# Altium PCB P0.PcbDoc (part 2 of 3)
Units mm, origin at the board's own origin, x right, y up, seen from the top; angles counter-clockwise.
Board outline 111.3 x 100 mm, 2 copper layers (Top Layer, Bottom Layer); 300 components, 175 nets, 873 pads, 740 vias.
Unrouted connection lines stored in the file: 7.
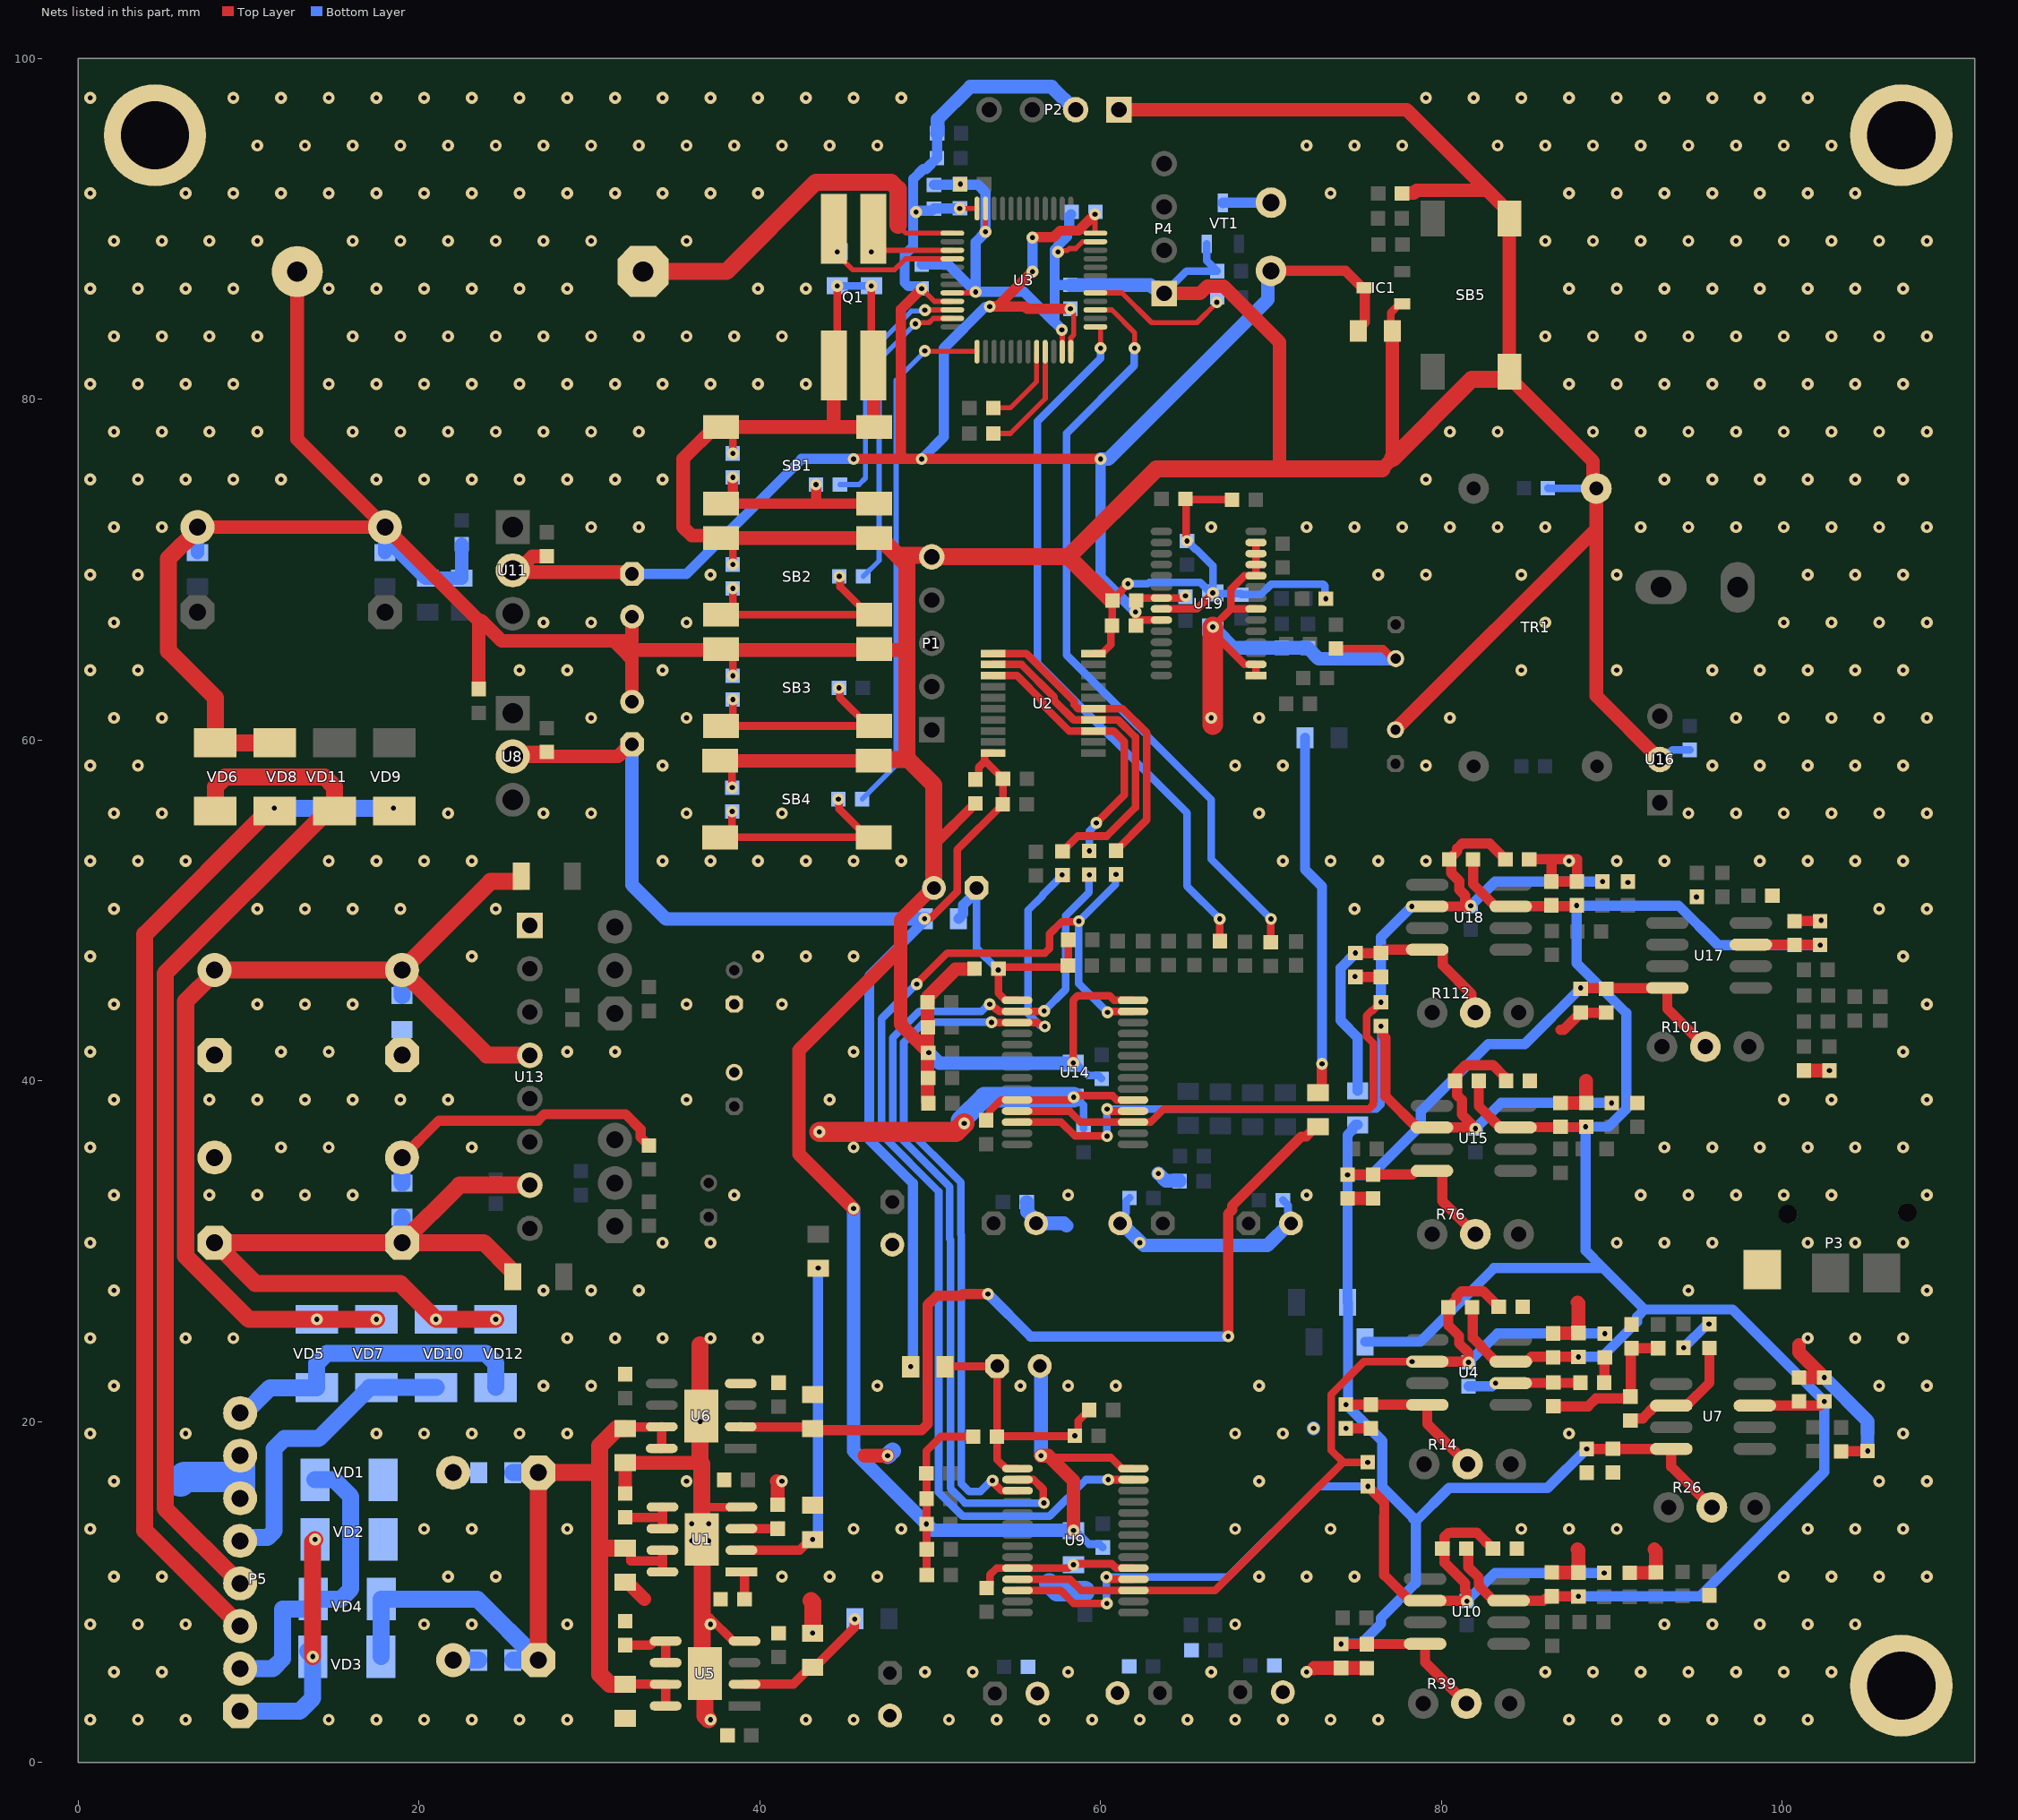
[diagram p2: the nets of this part, all layers, seen from the top]

## Part data
B1: library part Connector_CH224-2032, Manufacturer=KLS, PartNumber=CH224-2032, CommentText=CR2032, HelpURL=https://www.chipdip.ru/product/bh-642, TypeConnector="Single battery CR2032", ValueManufacturerPartNumber="Single battery CR2032"
BF1: library part Buzzer, CurrentMax=80mA, Frequency="2.73 kHz", Manufacturer="PUI Audio", PartNumber=AT-0927-TT-6-R, Temperature=-20...+70°C, VoltageMax=3VDC, HelpURL=https://www.digikey.com/products/en?keywords=AT-0927-TT-6-R, TypeBuzzer="DIP switch", ValueManufacturerPartNumber="DIP switch, 2.73 kHz, 3VDC, 80mA, -20...+70°C"
C1 C3 C4 C5 C7 C8 C9 C10 C11 C12 C13 C14 C15 C16 C17 C18 C19 C20 C21 C22 C23 C24 C25 C26 C27 C28 C29 C30 C31 C32 C33 C34 C35 C36 C37 C38 C39 C40 C41 C42 C44 C45 C46 C47 C49 C50 C51 C53 C57 C59 C63 C64 C65 C66 C67 C68 C71 C73 C74 C76 C78 C79 C80 C82 C84 C85 C86 C88 C89 C90 C91 C92 C93 C94 C95 C96 C97 C98 C99 C100 C101 C102 C103 C104 C105 C107 C109 C110 C111 C112 C113 C114 C115 C116 C117 C119 C121 C122 C123: library part Ceramic, Manufacturer=Yageo, Package=0201, PartNumber=CC0201KRX7R7BB103, Temperature=-55...+125°C, Tolerance=±10%, TypeCapacitor="Ceramic capacitor", TypeDielectric=X7R, Voltage=16V, HelpURL=https://www.digikey.com/product-detail/en/yageo/CC0201KRX7R7BB103/311-1404-1-ND/2833710
  C1 C5 C8 C11 C12 C13 C15 C18 C27 C40 C42 C44 C47 C49 C51 C53 C57 C59 C63 C65 C66 C67 C68 C71 C73 C74 C76 C79 C82 C85 C86 C88 C89 C90 C96 C103 C107 C109 C110 C117 C119 C121 C123: ValueManufacturerPartNumber="Ceramic capacitor, 0.1u, X7R, ±10%, 16V, 0201, -55...+125°C"
  C3 C4 C19 C20 C22 C23: ValueManufacturerPartNumber="Ceramic capacitor, 10μF, X7R, ±10%, 16V, 0201, -55...+125°C"
  C7 C14 C28 C39 C45 C50 C78 C84 C97 C102 C111 C122: ValueManufacturerPartNumber="Ceramic capacitor, 4.7u, X7R, ±10%, 16V, 0201, -55...+125°C"
  C9 C17 C26 C33 C36 C38: ValueManufacturerPartNumber="Ceramic capacitor, 1u, X7R, ±10%, 16V, 0201, -55...+125°C"
  C10 C25 C29 C32 C41 C80 C95 C98 C100 C105: ValueManufacturerPartNumber="Ceramic capacitor, 100p, X7R, ±10%, 16V, 0201, -55...+125°C"
  C16 C30 C35 C37 C64: ValueManufacturerPartNumber="Ceramic capacitor, 10u, X7R, ±10%, 16V, 0201, -55...+125°C"
  C21 C31 C93 C99: ValueManufacturerPartNumber="Ceramic capacitor, 2.7n, X7R, ±10%, 16V, 0201, -55...+125°C"
  C24 C34 C94 C101: ValueManufacturerPartNumber="Ceramic capacitor, 5.6n, X7R, ±10%, 16V, 0201, -55...+125°C"
  C46 C112: ValueManufacturerPartNumber="Ceramic capacitor, 3.9n, X7R, ±10%, 16V, 0201, -55...+125°C"
  C91 C92 C104: ValueManufacturerPartNumber="Ceramic capacitor, 10n, X7R, ±10%, 16V, 0201, -55...+125°C"
  C113: ValueManufacturerPartNumber="Ceramic capacitor, 22n, X7R, ±10%, 16V, 0201, -55...+125°C"
  C114: ValueManufacturerPartNumber="Ceramic capacitor, 1n, X7R, ±10%, 16V, 0201, -55...+125°C"
  C115 C116: ValueManufacturerPartNumber="Ceramic capacitor, 12p, X7R, ±10%, 16V, 0201, -55...+125°C"
C2 C6 C55 C56 C60 C61 C62 C69: library part Aluminium, Manufacturer=Wurth, Package="14x10x5 mm", PartNumber=860080475013, Temperature=-55...+105°C, Tolerance=±20%, TypeCapacitor="Aluminium capacitor", Voltage=35V, HelpURL=https://www.digikey.com/product-detail/en/wurth-electronics-inc/860080475013/732-9029-1-ND/5728972, Impedance=54mOhm, ValueManufacturerPartNumber="Aluminium capacitor, 1000μF, 35V, ±20%, 54mOhm, 14x10x5 mm, -55...+105°C"
C43 C48 C52 C54 C72 C75 C77 C106 C108 C118 C120 C124: library part Aluminium, Manufacturer=Wurth, Package="14x10x5 mm", PartNumber=860080475013, Temperature=-55...+105°C, Tolerance=±20%, TypeCapacitor="Aluminium capacitor", Voltage=25V, HelpURL=https://www.digikey.com/product-detail/en/wurth-electronics-inc/860080475013/732-9029-1-ND/5728972, Impedance=54mOhm, ValueManufacturerPartNumber="Aluminium capacitor, 100μF, 25V, ±20%, 54mOhm, 14x10x5 mm, -55...+105°C"
C58 C70 C81 C83 C87: library part Aluminium, Manufacturer=Wurth, Package="14x10x5 mm", PartNumber=860080475013, Temperature=-55...+105°C, Tolerance=±20%, TypeCapacitor="Aluminium capacitor", Voltage=50V, HelpURL=https://www.digikey.com/product-detail/en/wurth-electronics-inc/860080475013/732-9029-1-ND/5728972, Impedance=54mOhm, ValueManufacturerPartNumber="Aluminium capacitor, 10μF, 50V, ±20%, 54mOhm, 14x10x5 mm, -55...+105°C"
IC1: library part MAX809MEUR, "3-Pin Microprocessor Reset Circuit", Case=SOT23, Manufacturer=MAXIM, Author="CERN DEM JLC", Bonding=No, Component Type=Standard, ComponentHeight=1.12mm, CreateDate=23.08.2012, Device=MAX809SEUR, HelpURL=\\cern.ch\dfs\Applications\Altium\Datasheets\MAX809MEUR.pdf, LatestRevisionDate=23.08.2012, Manufacturer Part Number=MAX809SEUR, Mounted=Yes, PackageDescription="SOT23 3-Leads, Pitch 0.95mm - Body 1.3x2.86mm, IPC Medium Density", Part Description="3-Pin Microprocessor Reset Circuit (Reset Threshold 4.38V)", Part Number=MAX809SEUR, Pin Count=3, PressFit=No, Sense=No, SMD=Yes, Socket=No
L1 L2 L3 L4 L5 L6 L7 L8: library part Inductor_SMD, Manufacturer="Murata Electronics", MaxCurrent=80mA, Package=0201, PartNumber=LQP03TNR10J02D, Temperature=-55...+125°C, Tolerance=±5%, TypeInductor="Fixed inductor", HelpURL=https://www.digikey.com/product-detail/en/murata-electronics-north-america/LQP03TNR10J02D/490-6742-1-ND/3845939, ValueManufacturerPartNumber="Fixed inductor, 100nH, ±5%, 0201, 80mA, -55...+125°C"
P1: library part "Header 5", "Header, 5-Pin", LatestRevisionDate=17-Jul-2002, LatestRevisionNote="Re-released for DXP Platform.", Publisher="Altium Limited"
P2: "Header, 4-Pin", LatestRevisionDate=17-Jul-2002, LatestRevisionNote="Re-released for DXP Platform.", Publisher="Altium Limited"
P3: "3.5 mm, Stereo, Right Angle, Surface Mount _SMT_, Audio Jack Connector", Package=None, CUI_purchase_URL=https://www.cuidevices.com/product/interconnect/connectors/audio-connectors/jacks/sj2-357x-smt-series?utm_source=snapeda.com&utm_medium=referral&utm_campaign=snapedaBOM, Digi-Key_Part_Number=CP-SJ2-3573A2-SMT-CT-ND, Digi-Key_Purchase_URL=https://www.digikey.com.tr/product-detail/en/cui-devices/SJ2-3573A2-SMT-TR/CP-SJ2-3573A2-SMT-CT-ND/6619610?utm_source=snapeda&utm_medium=aggregator&utm_campaign=symbol, MF="CUI Devices", MP=SJ2-3573A2-SMT-TR, SnapEDA_Link=https://www.snapeda.com/parts/SJ2-3573A2-SMT-TR/CUI%20Devices/view-part/701785/?ref=snap
P4: library part "Header 4", "Header, 4-Pin", LatestRevisionDate=17-Jul-2002, LatestRevisionNote="Re-released for DXP Platform.", Publisher="Altium Limited"
P5: library part CWF-8, CurrentMax=3A, Manufacturer=Connfly, VoltageMax=250VAC, CommentText="\"Разъем\"", HelpURL=https://www.chipdip.ru/product/cwf-8, Multichannel=8pin, PartNumber=CWF-8, Pitch=2.5mm, TypeConnector=Connector, ValueManufacturerPartNumber="Connector, 8pin, 2.5mm, 250VAC, 3A"
P6: "RCA Phono Jack, Right Angle, Thru-Hole, Snap-In", PackageDocument=7-Jul-2000, ComponentLink1Description="Manufacturer Link", ComponentLink1URL=http://www.mouser.com/kobiconn/, DatasheetDocument=7-Jul-2000, DrillAndSlotSize="Corresponds to nominal value.", LatestRevisionDate=15-Jul-2004, LatestRevisionNote="Component Replaced.", PackageReference=161, PCB_Layout="Complies with manufacturer's recommendation.", Published=15-Jul-2004, Publisher="Altium Limited"
Q1: library part "XTAL_32.768KHZ_EPSON_MC-406 32.768K-A3:ROHS", "Crystal 4 pins 1=XTAL Control 2 And 3=NC 4=XTAL", Manufacturer="EPSON TOYOCOM", Manufacturer Part Number="MC-406 32.768K-A3:ROHS", Author="CERN DEM JLC", Bonding=No, Component Type=Standard, ComponentHeight=3.6mm, ComponentLink1Description="Ordering Informations", ComponentLink1URL=\\cern.ch\dfs\Applications\Altium\Datasheets\XTAL_EPSON_MC-406_Ordering-Informations.pdf, CreateDate=27.03.2012, HelpURL=\\cern.ch\dfs\Applications\Altium\Datasheets\XTAL_EPSON_MC-406.pdf, LatestRevisionDate=30.01.2013, Mounted=Yes, PackageDescription="EPSON Crystal; 10.41mm L X 4.06mm W X 3.6mm H", Part Description="Load capacitance 12.5pF, Frequency Tolerance ±20 ppm, 40°C to 85°C, Surface Mount Quartz Crystal, MC-406 Series", Part Number="XTAL_32.768KHZ_EPSON_MC-406 32.768K-A3:ROHS", Pin Count=4, PressFit=No, Sense=No, SMD=Yes, Socket=No
R1 R2 R3 R4 R5 R6 R7 R8 R9 R10 R11 R12 R13 R15 R16 R17 R18 R19 R20 R21 R22 R23 R24 R25 R27 R28 R29 R30 R31 R32 R33 R34 R35 R36 R37 R38 R40 R41 R42 R43 R44 R45 R46 R47 R48 R49 R50 R51 R52 R53 R54 R55 R56 R57 R58 R59 R60 R61 R62 R63 R64 R65 R66 R67 R68 R69 R70 R71 R72 R73 R74 R75 R77 R78 R79 R80 R81 R82 R83 R84 R85 R86 R87 R88 R89 R90 R91 R92 R93 R94 R95 R96 R97 R98 R99 R100 R102 R103 R104 R105 R106 R107 R108 R109 R110 R111: library part Resistor, Manufacturer=Yageo, Package=0201, PartNumber=RC0201JR-07100RL, Power=0.05W, Temperature=-55...+125°C, Tolerance=±5%, TypeResistor="Resistor film", HelpURL=https://www.digikey.com/product-detail/en/yageo/RC0201JR-07100RL/311-100NCT-ND/1949006
  R1 R2 R3 R4 R6 R7 R8 R11 R18 R23 R33 R46 R49 R53 R57 R60 R78 R87 R93 R99 R106: ValueManufacturerPartNumber="Resistor film, 1k, ±5%, 0201, 0.05W, -55...+125°C"
  R5 R15 R24 R48 R59 R66 R68 R69 R71 R77 R79 R92 R94 R96 R105: ValueManufacturerPartNumber="Resistor film, 100r, ±5%, 0201, 0.05W, -55...+125°C"
  R9 R10 R32 R35 R36 R37 R40 R44 R47 R51 R63 R74 R81 R82 R83 R84 R86 R98 R103: ValueManufacturerPartNumber="Resistor film, 20k, ±5%, 0201, 0.05W, -55...+125°C"
  R12 R30 R70 R108: ValueManufacturerPartNumber="Resistor film, 680r, ±5%, 0201, 0.05W, -55...+125°C"
  R13 R20 R73 R89: ValueManufacturerPartNumber="Resistor film, 324r, ±5%, 0201, 0.05W, -55...+125°C"
  R16 R19 R80 R88: ValueManufacturerPartNumber="Resistor film, 226r, ±5%, 0201, 0.05W, -55...+125°C"
  R17 R21 R64 R65: ValueManufacturerPartNumber="Resistor film, 4k7, ±5%, 0201, 0.05W, -55...+125°C"
  R22 R90: ValueManufacturerPartNumber="Resistor film, 330r, ±5%, 0201, 0.05W, -55...+125°C"
  R25 R100: ValueManufacturerPartNumber="Resistor film, open, ±5%, 0201, 0.05W, -55...+125°C"
  R27 R41: ValueManufacturerPartNumber="Resistor film, 240r, ±5%, 0201, 0.05W, -55...+125°C"
  R28 R42 R107: ValueManufacturerPartNumber="Resistor film, 400r, ±5%, 0201, 0.05W, -55...+125°C"
  R29: ValueManufacturerPartNumber="Resistor film, 720r, ±5%, 0201, 0.05W, -55...+125°C"
  R31: ValueManufacturerPartNumber="Resistor film, 1K, ±5%, 0201, 0.05W, -55...+125°C"
  R34: ValueManufacturerPartNumber="Resistor film, 10K, ±5%, 0201, 0.05W, -55...+125°C"
  R38 R61: ValueManufacturerPartNumber="Resistor film, 2.2R, ±5%, 0201, 0.05W, -55...+125°C"
  R43 R62: ValueManufacturerPartNumber="Resistor film, 4.7R, ±5%, 0201, 0.05W, -55...+125°C"
  R45 R55 R56: ValueManufacturerPartNumber="Resistor film, 10k, ±5%, 0201, 0.05W, -55...+125°C"
  R50 R102: ValueManufacturerPartNumber="Resistor film, 2k5, ±5%, 0201, 0.05W, -55...+125°C"
  R52: ValueManufacturerPartNumber="Resistor film, 1k8, ±5%, 0201, 0.05W, -55...+125°C"
  R54 R110: ValueManufacturerPartNumber="Resistor film, 2k8, ±5%, 0201, 0.05W, -55...+125°C"
  R58 R111: ValueManufacturerPartNumber="Resistor film, 2k2, ±5%, 0201, 0.05W, -55...+125°C"
  R67: ValueManufacturerPartNumber="Resistor film, 100k, ±5%, 0201, 0.05W, -55...+125°C"
  R72 R91 R95 R97 R109: ValueManufacturerPartNumber="Resistor film, 47k, ±5%, 0201, 0.05W, -55...+125°C"
  R75 R85: ValueManufacturerPartNumber="Resistor film, 75r, ±5%, 0201, 0.05W, -55...+125°C"
  R104: ValueManufacturerPartNumber="Resistor film, 3k, ±5%, 0201, 0.05W, -55...+125°C"
R14 R26 R39 R76 R101 R112: library part Trimmer, Manufacturer=Bourns, Package=3296W, PartNumber=3296W-1-103LF, Power=0.5W, Temperature=-55...+125°C, Tolerance=±10%, TypeResistor="Resistor film", HelpURL=https://www.digikey.com/product-detail/en/bourns-inc/3296W-1-103LF/3296W-103LF-ND/1088045, ValueManufacturerPartNumber="Resistor film, 20k, ±10%, 3296W, 0.5W, -55...+125°C"
SB1 SB2 SB3 SB4 SB5: library part Button_tactile, Manufacturer="TE Connectivity", Package=6x6mm, PartNumber=FSM2JSMAATR, CommentText="\"Кнопка\"", HelpURL=https://www.digikey.com/product-detail/en/te-connectivity-alcoswitch-switches/FSM2JSMAATR/450-1792-1-ND/3503931, TypeButton="Tactile button", ValueManufacturerPartNumber="Tactile button, 6x6mm"
T1: "80V 1.5A     50MHz (BD139)", Manufacturer=STMicroelectronics, Package=TO126, Power=12.5W, Complementary=BD139C, ComponentLink1Description="Datasheet Link", ComponentLink1URL=https://www.onsemi.com/pub/Collateral/BD136-D.PDF, Ft=60MHz, h21e=63-250, Ic=1.5A, Mount Type=TH, Published=28.09.2019, Publisher=Hefest, RoHS=Y, Supplier 1=Mouser, Technology=pnp, Type=Transistors, Vce=45V
T2: "80V 1.5A     50MHz (BD140)", Manufacturer=STMicroelectronics, Package=TO126, Power=12.5W, Complementary=BD140C, ComponentLink1Description="Datasheet Link", ComponentLink1URL=https://www.onsemi.com/pub/Collateral/BD135-D.PDF, Ft=150MHz, h21e=40-250, Ic=1.5A, Mount Type=TH, Published=28.09.2019, Publisher=Hefest, RoHS=Y, Supplier 1=Mouser, Technology=npn, Type=Transistors, Vce=80V
TR1: library part Current_ZMPT107, Manufacturer=Asia, PartNumber=SPDIF, HelpURL=https://aliexpress.ru/i/32958862009.html, TurnsRatio=1000:1000, TypeTransformer=Transformer, ValueManufacturerPartNumber="Transformer, 1000:1000,"
U1 U5 U6: "IC REG LINEAR 3.3V 800MA 8SOIC", Ambient Temperature Range High=+125°C, Ambient Temperature Range Low=-40°C, Capacitance=SKIP, Digikey Part Number=ADM7150ARDZ-3.3-ND, Dropout Voltage=0.6V, Manufacturer="Analog Devices Inc", Max Junction Temp=+150°C, Max Supply Voltage=16V, Min Supply Voltage=4.5V, Mouser Part Number=584-ADM7150ARDZ-3.3, Nominal Supply Current=8.6mA, Output Current=800mA, Output Voltage=3.3V, Package=RD-8-2, Temperature="-40°C to +125°C", Accuracy Percentage=1%, ComponentLink1Description=Upverter, ComponentLink1URL=https://upverter.com/upn/revision/462e4a23285522a3/, ComponentLink2Description=Datasheet, ComponentLink2URL=http://www.analog.com/media/en/technical-documentation/data-sheets/ADM7150.pdf, Datasheet Path=datasheets/IC_Analog_Devices_Inc_ADM7150ARDZ-3.3_eec.pdf, Datasheet Path1=datasheets/IC_Analog_Devices_Inc_ADM7150ARDZ-3.3_eec.pdf, Digikey Description="IC REG LINEAR 3.3V 800MA 8SOIC", Height=1.75mm, HelpURL=https://upverter.com/upn/revision/462e4a23285522a3/, Inductance=SKIP, Ipc Land Pattern Name=SOIC127P600X155-8, Lead Free=yes, Library Path1=parts/IC_Analog_Devices_Inc_ADM7150ARDZ-3.3_eec.SchLib, Library Ref1=ADM7150ARDZ-3.3, Mouser Description="LDO Voltage Regulators 800mA ULN LDO 3.3Vo", Number Of Outputs=1, Part Number=ADM7150ARDZ-3.3, Price=6.70290578782, Resistance=SKIP, RoHS=TRUE, Standoff Height=0.05mm, Supplier 1=Digi-Key, Supplier 2=Mouser, Supplier Part Number 1=ADM7150ARDZ-3.3-ND, Supplier Part Number 2=584-ADM7150ARDZ-3.3, Temperature Range High=+125°C, Temperature Range Low=-40°C, Verification Version=0.0.0.1, Voltage=SKIP
U2: "Octal Bi-Directional Transceiver with 3-State Inputs/Outputs", Case=TSSOP20, Manufacturer=NEXPERIA, Author="CERN DEM JLC", Bonding=No, Component Type=Standard, ComponentHeight=1.1mm, CreateDate=22.03.2017, Device=74HCT245PW, HelpURL=\\cern.ch\dfs\Applications\Altium\Datasheets\74HCT245PW.pdf, LatestRevisionDate=22.03.2017, Manufacturer Part Number=74HCT245PW, Mounted=Yes, PackageDescription="SOP, 20-Leads, Body 6.6x4.5mm (max), Pitch 0.65mm, IPC Medium Density", Part Description="Octal Bus Transceiver; 3-State", Part Number=74HCT245PW, Pin Count=20, PressFit=No, Sense=No, SMD=Yes, Socket=No
U3: library part STM32F103CBT6TR, "ARM Cortex-M3 32-bit MCU, 128 KB Flash, 20 KB Internal RAM, 37 I/Os, 48-pin LQFP, -40 to 85 degC, Tape and Reel", I/Os (High Current)=37, Operating Frequency(F) (Processor speed) (MHz)=72, Supply Voltage(Vcc) min (V)=2, A/D Converter="2x12-bit (10 Channel)", ComponentLink1Description="Manufacturer URL", ComponentLink1URL=http://www.st.com/web/en/home.html, ComponentLink2Description=Datasheet, ComponentLink2URL=http://www.st.com/st-web-ui/static/active/en/resource/technical/document/datasheet/CD00161566.pdf, ComponentLink3Description="Package Specification", ComponentLink3URL=http://www.st.com/st-web-ui/static/active/en/resource/technical/document/datasheet/DM00058181.pdf, Core="ARM Cortex-M3", DatasheetVersion="Rev. 16", FLASH Size (Prog) (kB)=128, Internal RAM Size (kB)=20, Mounting Technology="Surface Mount", PackageDescription="48-Pin Low Profile Quad Flat Package, 7 x 7 mm Body, 0.5 mm Pitch", PackageReference=LQFP48, PackageVersion="Rev. 6, 06/2013", Packing="Tape and Reel", PartNumber=STM32F103CBT6TR
U4 U7 U10 U15 U17 U18: library part AD797BRZ, "Single Channel Low Noise Operational Amplifier, 8 MHz BW, 20 V/us SR, Industrial, 8-pin SOIC (R-8), Tube", Amplifiers Per Package=1, Input Bias Current=250nA, Input Offset Voltage=25uV, Manufacturer="Analog Devices", Code_JEDEC=MS-012-AA, ComponentLink1Description="Manufacturer URL", ComponentLink1URL=http://www.analog.com/en/index.html, ComponentLink2Description=Datasheet, ComponentLink2URL=http://www.analog.com/static/imported-files/data_sheets/AD797.pdf, ComponentLink3Description="Package Specification", ComponentLink3URL=http://www.analog.com/static/imported-files/packages/PKG_PDF/SOIC_Narrow%20(R)/R_8.pdf, DatasheetVersion="Rev. H", Generic Part Number=AD797, Iq/Amp=10.5mA, Mounting Technology="Surface Mount", PackageDescription="8-Pin Standard Small Outline Package, Body 3.9 x 4.9 mm, Pitch 1.27 mm", PackageReference=R-8, PackageVersion=060506-A, PartNumber=AD797BRZ, Slew Rate=20V/us, Small Signal Bandwidth=8MHz, V Span Max=36V, V Span Min=10V
U8 U11: library part LM317AT/NOPB_v, "3-Terminal Regulator 1=Adj 2=OUT 3=IN", Case=TO-220, Manufacturer="TEXAS INSTRUMENTS", Manufacturer Part Number=LM317AT/NOPB, Author="CERN DEM JLC", Bonding=No, Component Type=Standard, ComponentHeight=19.55mm, CreateDate=07.12.2010, Device=LM317, HelpURL=\\cern.ch\dfs\Applications\Altium\Datasheets\LM317AT-NOPB.pdf, LatestRevisionDate=18.09.2014, Mounted=Yes, PackageDescription="TO-220 3-Terminal - Vertical Mount", Part Description="3-Terminal High-Voltage 1.2V To 37V 1.5A Positive Adjustable Regulator", Part Number=LM317AT/NOPB_v, Pin Count=3, PressFit=No, Sense=No, SMD=No, Socket=No
U9 U14: "High Performance Multibit Sigma-Delta DAC with SACD Playback, 5 V Power Supply, -40 to 85 degC, 28-Pin SSOP (RS-28), RoHS, Tube", Manufacturer="Analog Devices", Temperature Range (degC)="-40 to 85", Voltage Supply (V)=5, # DAC=2, ComponentLink1Description="Manufacturer URL", ComponentLink1URL=http://www.analog.com/, ComponentLink2Description=Datasheet, ComponentLink2URL=http://www.analog.com/static/imported-files/data_sheets/AD1955.pdf, ComponentLink3Description="Package Specification", ComponentLink3URL=http://www.analog.com/static/imported-files/packages/32122249223724RS_28.pdf, DAC Architecture="Sigma Delta", DAC DNR (dB)=123, DAC THD+N @ 1 kHz (-3dB)=110, DatasheetVersion="Rev. 0", Max Sampling Rate (KHz)=192, Mounting Technology="Surface Mount", PackageDescription="28-Pin Shrink Small Outline Package, Body 10.2 x 5.3 mm, Pitch 0.65 mm", PackageReference=RS-28, PackageVersion=060106-A, Packing=Tube, PartNumber=AD1955ARSZ, Resolution (Bits)=24, RoHS=TRUE
U13: library part "Header 8", "Header, 8-Pin", LatestRevisionDate=17-Jul-2002, LatestRevisionNote="Re-released for DXP Platform.", Publisher="Altium Limited"
U16: library part "Header 3", "Header, 3-Pin", LatestRevisionDate=17-Jul-2002, LatestRevisionNote="Re-released for DXP Platform.", Publisher="Altium Limited"
U19: "IC RCVR DGTL 192KHZ 28TSSOP COMM", Capacitance=SKIP, Digikey Part Number=598-1124-5-ND, Manufacturer="Cirrus Logic", Mouser Part Number=777-CS8416-CZZ, Package=TSSOP28, Temperature="-10°C to +70°C", Temperature Range High=+70°C, Temperature Range Low=-10°C, ComponentLink1Description=Upverter, ComponentLink1URL=https://upverter.com/upn/revision/6331408eeda7ffb8/, ComponentLink2Description=Datasheet, ComponentLink2URL=https://d3uzseaevmutz1.cloudfront.net/pubs/proDatasheet/CS8416_F3.pdf, Datasheet Path=datasheets/IC_Cirrus_Logic_CS8416-CZZ_eec.pdf, Datasheet Path1=datasheets/IC_Cirrus_Logic_CS8416-CZZ_eec.pdf, Digikey Description="IC RCVR DGTL 192KHZ 28TSSOP COMM", HelpURL=https://upverter.com/upn/revision/6331408eeda7ffb8/, Inductance=SKIP, Ipc Land Pattern Name=SOP65P640X105-28, Lead Free=yes, Library Path1=parts/IC_Cirrus_Logic_CS8416-CZZ_eec.SchLib, Library Ref1=CS8416-CZZ, Part Number=CS8416-CZZ, Price=6.36832533296, Resistance=SKIP, RoHS=TRUE, Supplier 1=Digi-Key, Supplier 2=Mouser, Supplier Part Number 1=598-1124-5-ND, Supplier Part Number 2=777-CS8416-CZZ, Voltage=SKIP
VD1 VD2 VD3 VD4 VD5 VD6 VD7 VD8 VD9 VD10 VD11 VD12: library part Schottky_single, Current=500mA, Manufacturer="Diodes Incorporated", Package=SOD-123, PartNumber=SS34, Temperature=-55...+150°C, Voltage=80V, VoltageDrop=1V, HelpURL=https://www.digikey.com/product-detail/en/diodes-incorporated/MBR0580S1-7/MBR0580S1-7DICT-ND/5080371, RecoveryTime=15pF, TypeDiode="Schottky diode", ValueManufacturerPartNumber="Schottky diode, 80V, 500mA, 1V, 15pF, SOD-123, -55...+150°C"
VT1: library part BJT_NPN_132, CurrentCE=100mA, CurrentGain=420, Frequency=100MHz, Manufacturer="ON Semiconductor", MaxPower=300mW, Package=SOT-23, PartNumber=BC847CLT1G, Temperature=-55...+125°C, VoltageCE=45V, VoltageSaturation=0.6V, HelpURL=https://www.digikey.com/product-detail/en/on-semiconductor/BC847CLT1G/BC847CLT1GOSCT-ND/917836, TypeTransistor="NPN transistor", ValueManufacturerPartNumber="NPN transistor, 45V, 100mA, 100MHz, 300mW, 0.6V, 420, SOT-23, -55...+125°C"

## Free pads (board coordinates)
  round 6 hole 4: 2(107,95.5) 3(107,4.5) 4(4.5,95.5)

## Via types
v1: diameter 0.7, hole 0.3, Top Layer to Bottom Layer, 740 vias

## Nets (pads, with @x,y where several pads share a name; then routed paths per layer and width w, separated by ;. In a path a pad name is that pad's centre, name@x,y a point inside that pad or via, vN(x,y) a via of type N, cw(c..) or ccw(c..) an arc to the next point about the centre after c; other vN are vias at no path point)
+12V: C7.1 C8.1 C14.2 C15.2 C39.1 C40.1 C78.1 C79.1 C84.2 C85.2 C102.1 C103.1 R7.1 R23.1 R60.1 R61.1 R93.1 U4.7 U7.7 U10.7 U15.7 U17.7 U18.7 | length 141
  Top Layer w0.6: R23.1@81.461,12.546 81.586,12.421 81.586,11.455 82.197,10.844 82.197,10.408 82.278,10.327 82.278,10.287 83.074,9.49 U10.7@83.947,9.49 86.004,9.49 86.131,9.617 86.356,9.617 C39.1@86.481,9.742 86.485,9.738 v1(88.045,9.738) C40.1@88.048,9.734 ; R7.1@81.813,26.716 81.843,26.685 81.843,24.919 82.381,24.382 82.381,24.341 83.203,23.519 U4.7@84.075,23.519 85.003,23.519 85.281,23.798 v1(88.048,23.798) ; R93.1@81.86,53 81.86,51.552 83.175,50.237 U18.7@84.075,50.237 84.094,50.256 87.916,50.256 C103.1@87.96,50.3 ; R60.1@82.2,40 82.2,38.514 83.454,37.26 U15.7@84.354,37.26 84.373,37.279 88.479,37.279 C78.1@88.5,37.3 ; U17.7@98.167,47.997 98.177,47.986 102.221,47.986 C85.2@102.232,47.975 ; U7.7@98.399,20.937 102.229,20.937 v1(102.478,21.186)
  Bottom Layer w0.6: R61.1@75.523,24.686 78.77,24.686 83.088,29.004 89.504,29.004 ; v1(88.045,9.738) 95.169,9.738 102.478,17.047 v1(102.478,21.186) 97.085,26.578 91.929,26.578 ; v1(88.048,23.798) 89.435,23.798 91.5,25.863 91.5,26.149 91.929,26.578 ; v1(102.236,47.961) 96.248,47.961 93.925,50.285 v1(87.937,50.285) 87.937,46.9 90.85,43.987 90.85,38.348 89.805,37.302 v1(88.475,37.302) 88.475,30.033 89.504,29.004 ; 89.504,29.004 91.929,26.578
+DCOP: C61.1 C62.1 C66.1 R62.2 U13.7 VD10.2 VD12.2 | length 47.3
  Top Layer w1: v1(24.5,26) v1(21,26) 18.896,28.104 10.396,28.104 C61.1@8,30.5 C62.1@19,30.5 ; R62.2@25.5,28.5 25.5,28.8 23.8,30.5 C62.1@19,30.5 ; U13.7@26.5,33.88 22.38,33.88 C62.1@19,30.5
  Bottom Layer w1: C62.1@19,30.5 C66.1@19,32
-12V: C27.1 C28.1 C44.1 C45.1 C49.1 C50.1 C96.1 C97.1 C110.1 C111.1 C121.1 C122.1 Designator2.1 Designator2.2 R14.2 R26.2 R38.1 R39.2 R76.2 R101.2 R112.2 U4.4 U7.4 U10.4 U15.4 U17.4 U18.4 | length 131.7
  Top Layer w0.6: C50.1@74.115,6.936 v1(74.122,6.943) 79.04,6.943 U10.4@79.047,6.95 79.047,5.88 R39.2@81.474,3.453 ; C27.1@74.399,21.005 v1(74.412,20.992) 79.162,20.992 U4.4@79.175,20.979 79.175,19.865 R14.2@81.54,17.5 ; C97.1@74.5,34.5 C96.1@76,34.5 78.307,34.5 78.527,34.72 U15.4@79.454,34.72 80.007,34.72 80.054,34.674 80.054,32.946 R76.2@82,31 ; C122.1@74.96,47.5 C121.1@76.46,47.5 76.657,47.697 U18.4@79.175,47.697 80.048,47.697 80.094,47.651 80.094,46.778 81.77,45.101 81.77,44.23 R112.2@82,44 ; C111.1@88.216,45.438 93.247,45.438 U17.4@93.267,45.457 93.267,44.233 R101.2@95.5,42 ; v1(88.533,18.396) U7.4@93.499,18.397 ; U7.4@93.499,18.397 93.499,17.348 R26.2@95.879,14.968
  Bottom Layer w0.6: v1(74.122,6.943) 74.142,6.962 75.287,6.962 76.456,8.132 76.456,8.472 78.5,10.515 78.5,14.149 ; v1(74.958,47.508) 74.958,47.485 74.086,46.613 74.086,43.547 75.091,42.542 Designator2.2@75.091,39.417 ; Designator2.1@75.091,37.417 74.966,37.417 74.766,37.217 74.766,37.092 74.496,36.823 v1(74.496,34.477) ; v1(88.187,45.448) 84.894,42.155 82.75,42.155 78.8,38.206 78.8,37.388 75.889,34.477 v1(74.496,34.477) ; v1(88.533,18.396) 86.237,16.1 80.451,16.1 78.5,14.149 ; v1(74.496,34.477) 74.498,34.475 74.498,27.002 74.523,26.977 74.523,21.13 74.412,21.019 v1(74.412,20.992) 76.537,18.867 76.537,16.165 78.35,14.352 78.35,14.299 78.5,14.149
-DCOP: C55.2 C56.2 C57.2 R43.2 U13.4 VD5.1 VD7.1 | length 61.8
  Top Layer w1: v1(17.5,26) v1(14,26) 10.01,26 6.3,29.71 6.3,44.664 8,46.364 C55.2@8,46.5 C56.2@19,46.5 ; R43.2@26,52 26,51.7 24.2,51.7 C56.2@19,46.5 ; U13.4@26.5,41.5 26.479,41.521 23.979,41.521 C56.2@19,46.5
  Bottom Layer w1: C57.2@19,45 C56.2@19,46.5
AC9L1: P5.1 VD2.2 VD3.1 | length 14.4
  Top Layer w1: v1(13.763,6.203) 13.763,12.949 v1(13.895,13.082)
  Bottom Layer w1: P5.1@9.5,3 13,3 13.763,3.763 v1(13.763,6.203) VD3.1@13.453,6.514
AC9L2: P5.4 VD6.2 VD11.1 | length 61.8
  Top Layer w1: VD6.2@8.038,55.838 8.038,57.252 8.624,57.838 14.453,57.838 15.038,57.252 VD11.1@15.038,55.838 14.638,55.838 5.1,46.299 5.1,14.9 P5.4@9.5,10.5
AC9L11: P5.2 VD1.2 VD4.1 | length 18.2
  Bottom Layer w1: P5.2@9.5,5.5 11.414,5.5 12,6.086 12,8.996 13.445,8.996 13.795,9.346 VD4.1@13.795,9.582 15.411,9.582 15.997,10.167 15.997,15.599 14.997,16.599 13.913,16.599 VD1.2@13.895,16.582
AC9L22: P5.3 VD8.2 VD9.1 | length 60.9
  Top Layer w1: P5.3@9.5,8 3.9,13.6 3.9,48.599 11.138,55.838 VD8.2@11.538,55.838 ; VD9.1@18.274,55.573 VD9.1@18.538,55.838
  Bottom Layer w1: v1(11.5,56) v1(18.5,56)
AC18L1: P5.5 VD7.2 VD10.1 | length 18.1
  Bottom Layer w1: P5.5@9.5,13 9.691,13.191 11.106,13.191 11.5,13.586 11.5,18.414 12.086,19 14.1,19 17.1,22 VD7.2@17.5,22 VD10.1@21,22
AC18L2: P5.8 VD5.2 VD12.1 | length 18.9
  Bottom Layer w1: P5.8@9.5,20.5 9.771,20.5 11.25,21.979 13.979,21.979 VD5.2@14,22 14,23.414 14.586,24 23.914,24 24.5,23.414 VD12.1@24.5,22
AGNDD: C1.2 C2.2 C3.2 C4.2 C5.2 C6.2 C7.2 C8.2 C9.2 C14.1 C15.1 C16.2 C17.2 C19.2 C20.2 C22.2 C23.2 C24.2 C25.2 C26.2 C27.2 C28.2 C31.1 C32.2 C33.2 C34.1 C35.2 C36.2 C37.2 C38.2 C39.2 C40.2 C44.2 C45.2 C46.1 C49.2 C50.2 C51.2 C52.2 C53.2 C54.2 C55.1 C56.1 C57.1 C58.1 C61.2 C62.2 C66.2 C70.2 C74.2 C75.2 C76.2 C77.2 C78.2 C79.2 C82.1 C83.2 C84.1 C85.1 C94.2 C95.2 C96.2 C97.2 C99.1 C100.2 C101.1 C102.2 C103.2 C106.2 C107.2 C108.2 C109.2 C110.2 C111.2 C112.1 C113.2 C114.1 C119.2 C120.2 C121.2 C122.2 C123.2 C124.2 L1.2 L5.2 L7.1 P3.2 P5.6 P5.7 pad.2 pad.3 pad.4 R19.2 R25.1 R50.2 R52.1 R54.1 R88.2 R100.1 R102.2 R110.1 U1.4 U1.9 U5.4 U5.9 U6.4 U6.9 U9.10 U9.19 U13.1 U14.10 U14.19 U19.1 U19.2 U19.7 U19.10 U19.11 U19.12 U19.13 VD1.1 VD2.1 | length 202.2
  Top Layer w0.45: R102.2@53.277,37.687 53.477,37.887 53.477,38.196 54.156,38.875 U14.10@55.1,38.875 58.186,38.875 58.353,39.042 v1(58.421,39.042) 58.488,39.042 58.571,39.125 60.699,39.125 60.949,38.875 U14.19@61.9,38.875 ; R50.2@53.312,10.229 53.512,10.429 53.512,11.012 53.893,11.393 U9.10@55.125,11.393 v1@58.133,11.393 ; v1(58.409,11.601) 58.456,11.649 60.663,11.649 60.918,11.393 U9.19@61.925,11.393 ; U19.1@69.123,63.796 U19.2@69.123,64.446 68.45,64.446 66.639,66.256 66.639,66.588 v1(66.591,66.636) 67.651,67.696 ; U19.7@69.123,67.696 67.651,67.696 ; U19.13@69.123,71.596 U19.12@69.123,70.946 U19.11@69.123,70.296 U19.10@69.123,69.646 68.45,69.646 67.651,68.847 67.651,67.696 ; C82.1@73.809,65.375 76.581,65.375 77.177,64.779 C83.2@77.326,64.779
  Top Layer w0.5: 36.614,8.5 37.057,8.5 38.436,7.122 U5.4@39.102,7.122 ; 36.906,14.987 U1.4@38.918,14.987
  Top Layer w0.6: C62.2@19,35.5 21.17,37.67 26.978,37.67 27.348,38.04 32.121,38.04 33,37.161 33,36.7 R52.1@33.5,36.2 ; 36.602,15.291 36.906,14.987 ; C27.2@74.399,19.605 v1(74.401,19.603) 74.403,19.601 75.864,19.601 C28.2@75.868,19.597 ; C122.2@74.96,46.1 C121.2@76.46,46.1 ; C100.2@85.16,53 87.96,53 C103.2@87.96,51.7 C102.2@86.46,51.7 86.46,52.96 86.5,53 ; 87,43 87.178,43 C111.2@88.178,44 C110.2@89.678,44 ; C84.1@100.607,49.5 C84.1@100.732,49.375 C85.1@102.232,49.375 ; C46.1@103.458,18.255 103.466,18.262 105.015,18.262 v1(105.022,18.27)
  Top Layer w0.8: C19.2@32.102,2.582 C19.2@32.227,2.582 ; C3.2@32.102,10.582 32.227,10.582 33.227,9.582 ; C9.2@32.102,15.782 C22.2@32.102,17.582 36.418,17.582 36.5,17.5 ; v1@41,16.5 41.046,16.454 C17.2@41.046,15.111 ; 46.145,18 v1(47.5,18) ; 72.5,5.5 72.533,5.533 C49.2@75.631,5.533 ; C97.2@74.5,33.1 C96.2@76,33.1 ; v1(74.936,46.12) C122.2@74.936,46.124 ; C39.2@86.481,11.142 86.485,11.138 88.045,11.138 C40.2@88.048,11.134 88.048,12.452 88,12.5 ; C7.2@86.559,25.176 86.57,25.187 88.037,25.187 C8.2@88.048,25.198 88.048,26.952 88,27 ; C79.2@87,38.7 C78.2@88.5,38.7 88.5,40 ; R19.2@91.051,11.118 91.063,11.13 92.584,11.13 C34.1@92.597,11.142 92.597,12.403 92.5,12.5 ; C15.1@100.989,22.586 v1(102.478,22.586) 101,24.063 101,24.5 ; R100.1@101.279,40.602 v1(102.779,40.602)
  Top Layer w1: 36.5,17.5 v1(36.5,20) 36.5,24.5 ; 36.602,17.5 36.602,15.291 U1.9@36.602,13.082 36.614,13.069 36.614,8.5 36.614,5.388 U5.9@36.785,5.217 36.785,2.715 v1@37,2.5 ; 43,9.5 43.102,9.398 v1(43.102,7.582)
  Top Layer w1.2: v1(43.5,37) 51.5,37 v1(52,37.5) ; 66.591,60.909 v1(66.591,66.636)
  Bottom Layer w0.45: v1(58.421,39.042) 58.527,39.042 59,38.569 C119.2@59,37.2 ; C106.2@61.151,31.632 61.151,31.889 61.501,32.239 61.501,32.932 C109.2@61.701,33.132 ; C123.2@70.7,33 71,32.7 71,31.814 C124.2@71.182,31.632
  Bottom Layer w0.8: C107.2@55.668,32.893 55.693,32.868 55.693,32.32 56.215,31.798 C108.2@56.215,31.636 57.864,31.636 58,31.5 ; C106.2@61.151,31.632 61.238,31.632 62.538,30.332 69.795,30.332 71.095,31.632 C124.2@71.182,31.632 ; v1(63.396,34.556) 63.82,34.132 64.623,34.132 R110.1@64.648,34.107 ; v1(66.591,66.636) 66.716,66.636 66.816,66.536 66.816,66.404 67.802,65.418 C114.1@70.637,65.418 ; C114.1@70.639,65.412 72.162,65.412 C113.2@72.166,65.409 ; C113.2@72.173,65.402 72.18,65.402 72.198,65.384 72.198,65.377 72.797,64.778 C83.2@77.324,64.778 ; v1(72.496,19.607) v1@72.5,19.603 ; v1(102.478,22.586) 105.022,20.041 v1(105.022,18.27)
  Bottom Layer w1: C66.2@19,34 C62.2@19,35.5 ; C6.2@22,5.73 C6.2@22,6 C5.2@23.5,6 ; v1(47.5,18) 47.781,18.281
  Bottom Layer w1.2: C56.1@19,41.5 C56.1@19,41.62 ; v1@51.821,37.679 53.183,39.042 v1(58.421,39.042) ; 57,10.5 57.45,10.05 C74.2@59.078,10.05
  Bottom Layer w1.8: 6,16.5 6.25,16.75 9.5,16.75 ; C61.2@8,35.446 C61.2@8,35.5 C61.2@8.054,35.5 ; P5.6@9.5,15.5 9.5,16.75 ; P5.7@9.5,18 9.5,16.75 ; C62.2@18.946,35.5 C62.2@19,35.5
  other v1: 0.7,2.5 3.5,2.5 6.3,2.5 14.7,2.5 17.5,2.5 20.3,2.5 23.1,2.5 25.9,2.5 28.7,2.5 37.1,2.5 42.7,2.5 45.5,2.5 51.1,2.5 53.9,2.5 56.7,2.5 59.5,2.5 62.3,2.5 65.1,2.5 67.9,2.5 70.7,2.5 73.5,2.5 76.3,2.5 87.5,2.5 90.3,2.5 93.1,2.5 95.9,2.5 98.7,2.5 101.5,2.5 2.1,5.3 4.9,5.3 49.7,5.3 52.5,5.3 58.1,5.3 66.5,5.3 72.1,5.3 86.1,5.3 88.9,5.3 91.7,5.3 94.5,5.3 97.3,5.3 100.1,5.3 102.9,5.3 0.7,8.1 3.5,8.1 6.3,8.1 20.3,8.1 23.1,8.1 28.7,8.1 37.1,8.1 67.9,8.1 93.1,8.1 95.9,8.1 98.7,8.1 101.5,8.1 104.3,8.1 2.1,10.9 4.9,10.9 21.7,10.9 24.5,10.9 41.3,10.9 44.1,10.9 46.9,10.9 69.3,10.9 72.1,10.9 74.9,10.9 100.1,10.9 102.9,10.9 105.7,10.9 108.5,10.9 36,13 37,13 0.7,13.7 20.3,13.7 23.1,13.7 28.7,13.7 45.5,13.7 48.3,13.7 67.9,13.7 73.5,13.7 84.7,13.7 87.5,13.7 90.3,13.7 101.5,13.7 104.3,13.7 107.1,13.7 36,14 37,14 2.1,16.5 35.7,16.5 41.3,16.5 69.3,16.5 105.7,16.5 108.5,16.5 0.7,19.3 6.3,19.3 17.5,19.3 20.3,19.3 23.1,19.3 25.9,19.3 28.7,19.3 67.9,19.3 70.7,19.3 87.5,19.3 107.1,19.3 2.1,22.1 27.3,22.1 30.1,22.1 46.9,22.1 55.3,22.1 58.1,22.1 60.9,22.1 69.3,22.1 105.7,22.1 108.5,22.1 0.7,24.9 6.3,24.9 9.1,24.9 28.7,24.9 31.5,24.9 34.3,24.9 37.1,24.9 39.9,24.9 101.5,24.9 104.3,24.9 107.1,24.9 2.1,27.7 27.3,27.7 30.1,27.7 32.9,27.7 94.5,27.7 108.5,27.7 0.7,30.5 34.3,30.5 37.1,30.5 62.3,30.5 90.3,30.5 93.1,30.5 95.9,30.5 101.5,30.5 104.3,30.5 107.1,30.5 2.1,33.3 7.7,33.3 10.5,33.3 13.3,33.3 16.1,33.3 38.5,33.3 58.1,33.3 72.1,33.3 91.7,33.3 94.5,33.3 97.3,33.3 100.1,33.3 102.9,33.3 108.5,33.3 0.7,36.1 11.9,36.1 14.7,36.1 23.1,36.1 45.5,36.1 93.1,36.1 95.9,36.1 98.7,36.1 101.5,36.1 104.3,36.1 107.1,36.1 2.1,38.9 7.7,38.9 10.5,38.9 13.3,38.9 16.1,38.9 18.9,38.9 21.7,38.9 35.7,38.9 44.1,38.9 100.1,38.9 102.9,38.9 108.5,38.9 0.7,41.7 11.9,41.7 14.7,41.7 28.7,41.7 31.5,41.7 45.5,41.7 107.1,41.7 2.1,44.5 10.5,44.5 13.3,44.5 16.1,44.5 35.7,44.5 41.3,44.5 108.5,44.5 0.7,47.3 23.1,47.3 39.9,47.3 42.7,47.3 45.5,47.3 107.1,47.3 102.298,49.419 2.1,50.1 10.5,50.1 13.3,50.1 16.1,50.1 18.9,50.1 24.5,50.1 74.9,50.1 105.7,50.1 108.5,50.1 94.972,50.785 90.953,51.642 0.7,52.9 3.5,52.9 6.3,52.9 14.7,52.9 17.5,52.9 20.3,52.9 23.1,52.9 34.3,52.9 37.1,52.9 39.9,52.9 42.7,52.9 45.5,52.9 48.3,52.9 70.7,52.9 73.5,52.9 76.3,52.9 79.1,52.9 87.5,52.9 90.3,52.9 93.1,52.9 98.7,52.9 101.5,52.9 104.3,52.9 107.1,52.9 2.1,55.7 4.9,55.7 21.7,55.7 27.3,55.7 30.1,55.7 35.7,55.7 41.3,55.7 69.3,55.7 94.5,55.7 97.3,55.7 100.1,55.7 102.9,55.7 105.7,55.7 108.5,55.7 0.7,58.5 3.5,58.5 34.3,58.5 67.9,58.5 70.7,58.5 79.1,58.5 95.9,58.5 98.7,58.5 101.5,58.5 104.3,58.5 107.1,58.5 2.1,61.3 4.9,61.3 30.1,61.3 35.7,61.3 66.5,61.3 69.3,61.3 80.5,61.3 97.3,61.3 100.1,61.3 102.9,61.3 105.7,61.3 108.5,61.3 0.7,64.1 3.5,64.1 25.9,64.1 28.7,64.1 34.3,64.1 84.7,64.1 90.3,64.1 95.9,64.1 98.7,64.1 101.5,64.1 104.3,64.1 107.1,64.1 2.1,66.9 27.3,66.9 30.1,66.9 35.7,66.9 86.1,66.9 100.1,66.9 102.9,66.9 105.7,66.9 108.5,66.9 0.7,69.7 3.5,69.7 37.1,69.7 76.3,69.7 79.1,69.7 84.7,69.7 90.3,69.7 101.5,69.7 104.3,69.7 107.1,69.7 2.1,72.5 4.9,72.5 30.1,72.5 32.9,72.5 66.5,72.5 72.1,72.5 74.9,72.5 77.7,72.5 80.5,72.5 83.3,72.5 86.1,72.5 91.7,72.5 94.5,72.5 97.3,72.5 100.1,72.5 102.9,72.5 105.7,72.5 108.5,72.5 0.7,75.3 3.5,75.3 6.3,75.3 9.1,75.3 11.9,75.3 17.5,75.3 20.3,75.3 23.1,75.3 25.9,75.3 28.7,75.3 31.5,75.3 34.3,75.3 79.1,75.3 93.1,75.3 95.9,75.3 98.7,75.3 101.5,75.3 104.3,75.3 107.1,75.3 2.1,78.1 4.9,78.1 7.7,78.1 10.5,78.1 16.1,78.1 18.9,78.1 21.7,78.1 24.5,78.1 27.3,78.1 30.1,78.1 32.9,78.1 80.5,78.1 83.3,78.1 88.9,78.1 91.7,78.1 94.5,78.1 97.3,78.1 100.1,78.1 102.9,78.1 105.7,78.1 108.5,78.1 0.7,80.9 3.5,80.9 6.3,80.9 9.1,80.9 14.7,80.9 17.5,80.9 20.3,80.9 23.1,80.9 25.9,80.9 28.7,80.9 31.5,80.9 34.3,80.9 37.1,80.9 39.9,80.9 42.7,80.9 87.5,80.9 90.3,80.9 93.1,80.9 95.9,80.9 98.7,80.9 101.5,80.9 104.3,80.9 107.1,80.9 2.1,83.7 4.9,83.7 7.7,83.7 10.5,83.7 16.1,83.7 18.9,83.7 21.7,83.7 24.5,83.7 27.3,83.7 30.1,83.7 32.9,83.7 35.7,83.7 38.5,83.7 41.3,83.7 86.1,83.7 88.9,83.7 91.7,83.7 94.5,83.7 97.3,83.7 100.1,83.7 102.9,83.7 105.7,83.7 108.5,83.7 0.7,86.5 3.5,86.5 6.3,86.5 9.1,86.5 14.7,86.5 17.5,86.5 20.3,86.5 23.1,86.5 25.9,86.5 28.7,86.5 39.9,86.5 42.7,86.5 87.5,86.5 90.3,86.5 93.1,86.5 95.9,86.5 98.7,86.5 101.5,86.5 104.3,86.5 107.1,86.5 2.1,89.3 4.9,89.3 7.7,89.3 10.5,89.3 16.1,89.3 18.9,89.3 21.7,89.3 24.5,89.3 27.3,89.3 30.1,89.3 35.7,89.3 86.1,89.3 88.9,89.3 91.7,89.3 94.5,89.3 97.3,89.3 100.1,89.3 102.9,89.3 105.7,89.3 108.5,89.3 0.7,92.1 6.3,92.1 9.1,92.1 11.9,92.1 14.7,92.1 17.5,92.1 20.3,92.1 23.1,92.1 25.9,92.1 28.7,92.1 31.5,92.1 34.3,92.1 37.1,92.1 39.9,92.1 73.5,92.1 87.5,92.1 90.3,92.1 93.1,92.1 95.9,92.1 98.7,92.1 101.5,92.1 104.3,92.1 10.5,94.9 13.3,94.9 16.1,94.9 18.9,94.9 21.7,94.9 24.5,94.9 27.3,94.9 30.1,94.9 32.9,94.9 35.7,94.9 38.5,94.9 41.3,94.9 44.1,94.9 46.9,94.9 72.1,94.9 74.9,94.9 77.7,94.9 83.3,94.9 86.1,94.9 88.9,94.9 91.7,94.9 94.5,94.9 97.3,94.9 100.1,94.9 102.9,94.9 0.7,97.7 9.1,97.7 11.9,97.7 14.7,97.7 17.5,97.7 20.3,97.7 23.1,97.7 25.9,97.7 28.7,97.7 31.5,97.7 34.3,97.7 37.1,97.7 39.9,97.7 42.7,97.7 45.5,97.7 48.3,97.7 79.1,97.7 81.9,97.7 84.7,97.7 87.5,97.7 90.3,97.7 93.1,97.7 95.9,97.7 98.7,97.7 101.5,97.7